# Altium PCB Enigma Rev A.PcbDoc (part 4 of 7) (continued)
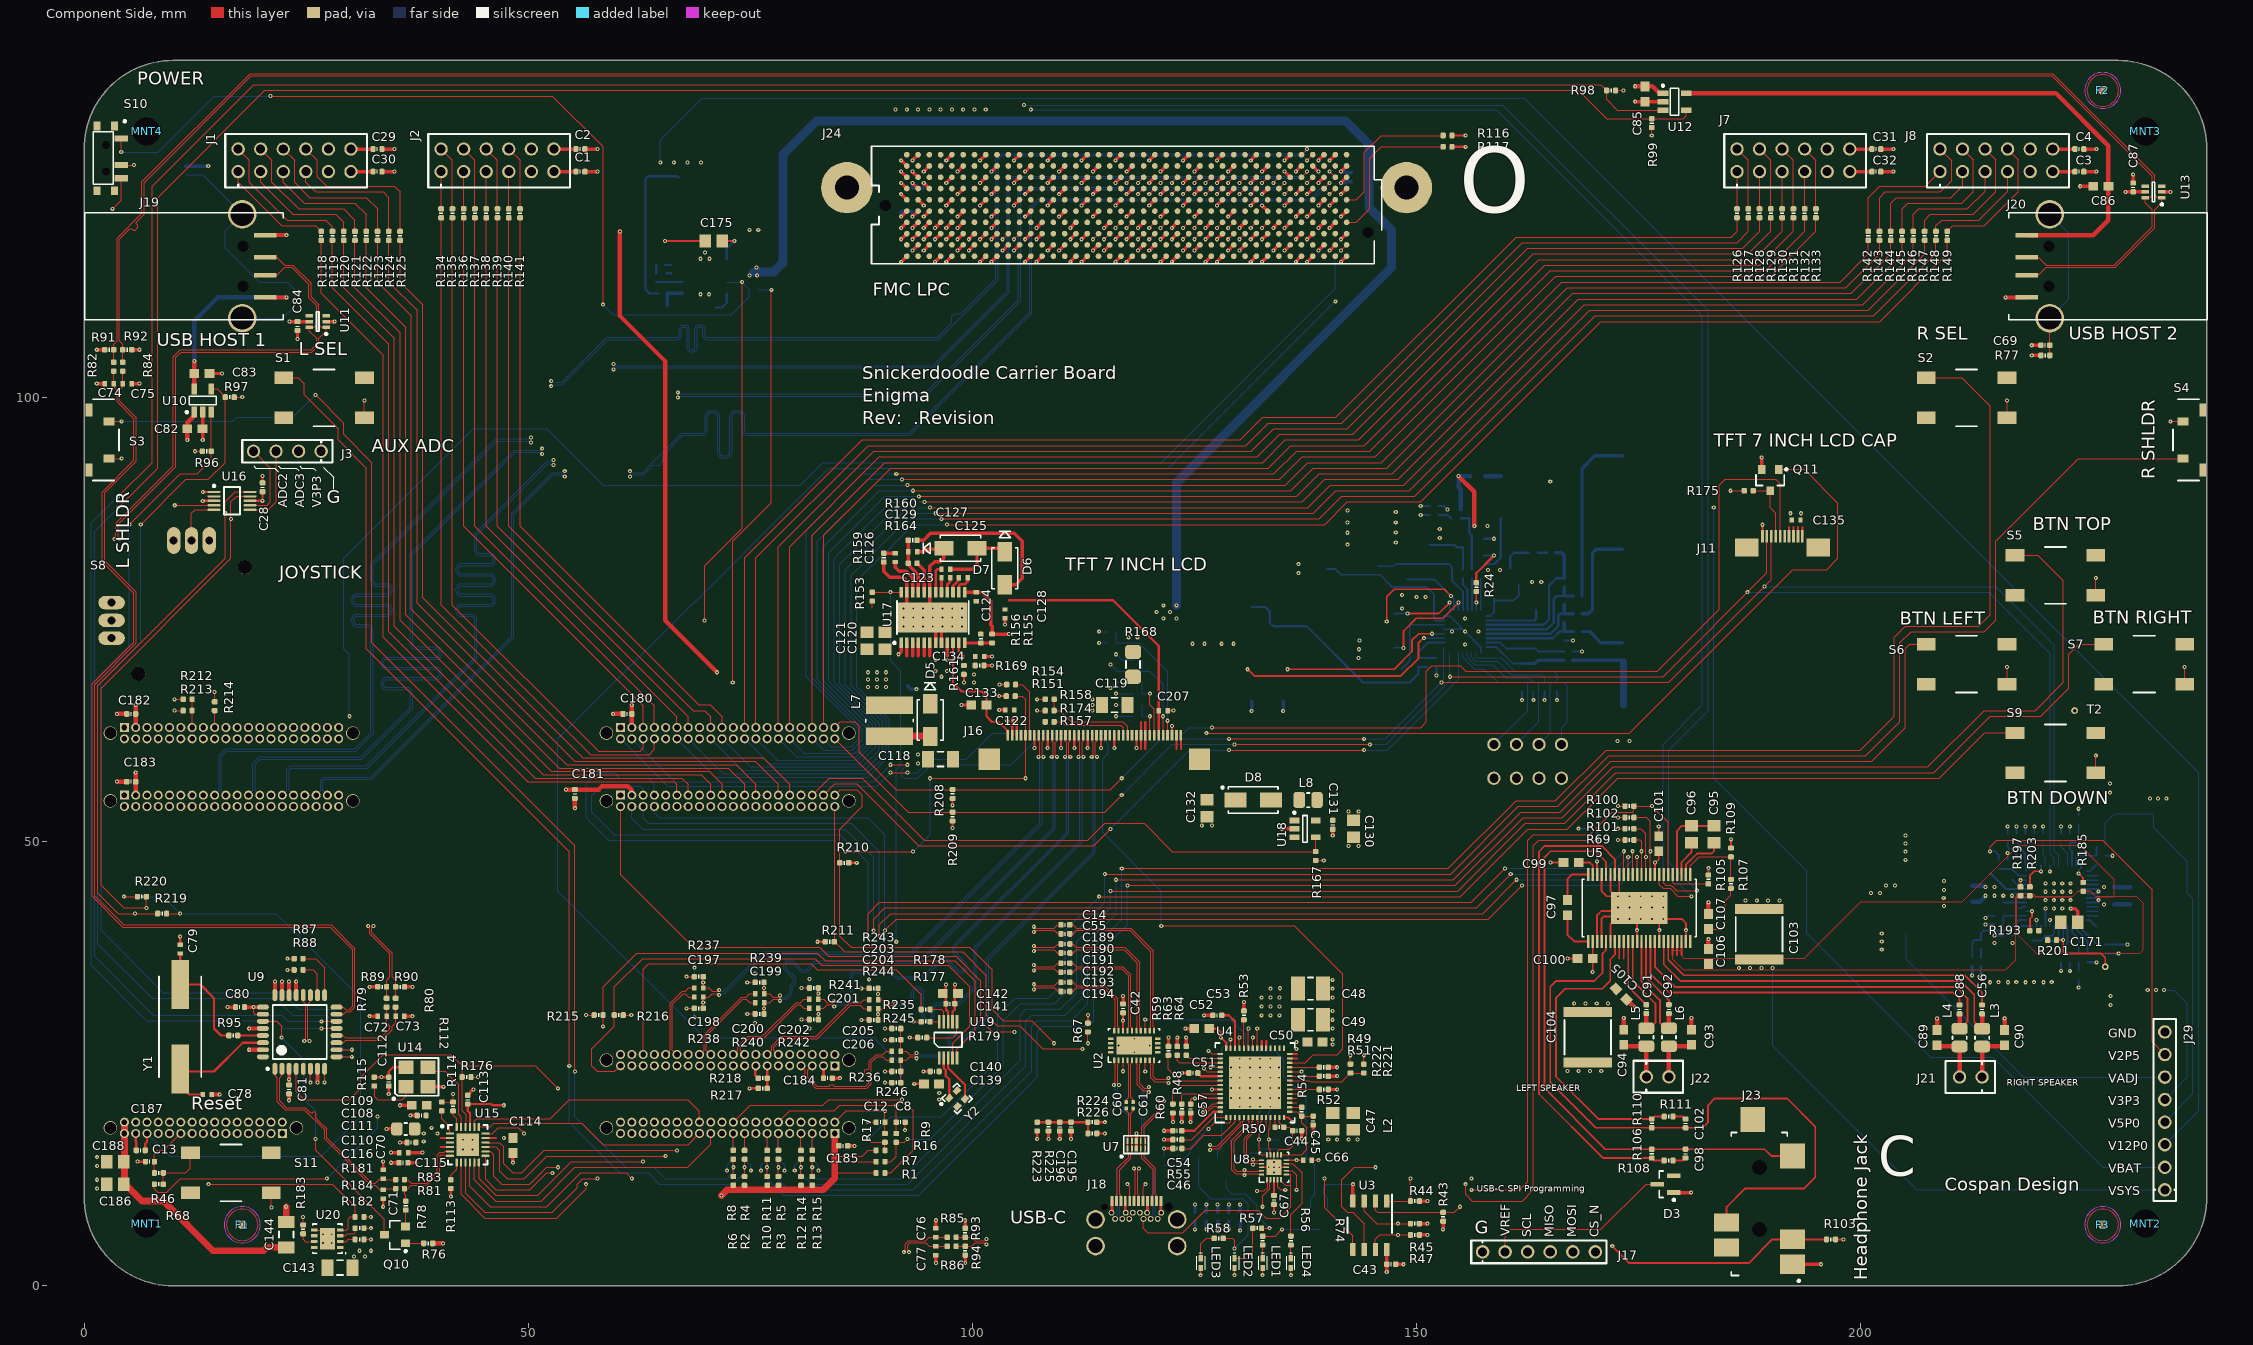
[diagram p0: Component Side view]
## Nets (pads, with @x,y where several pads share a name; then routed paths per layer and width w, separated by ;. In a path a pad name is that pad's centre, name@x,y a point inside that pad or via, vN(x,y) a via of type N, cw(c..) or ccw(c..) an arc to the next point about the centre after c; other vN are vias at no path point) (continued)
LA13_N: J6.26 J24.D18 | length 175.4
  Component Side w0.127: v1(119.936,119.126) J24.D18@120.571,119.761
  Inner Layer 1 w0.127: J6.26@19.751,61.595 19.243,61.087 19.243,60.198 19.558,59.883 19.648,59.793 19.917,59.793 20.103,59.979 20.373,59.979 20.552,59.8 20.552,59.53 20.366,59.344 20.366,59.075 20.894,58.547 31.75,58.547 34.163,60.96 34.163,75.438 34.879,76.154 ccw(c34.645,76.387) 34.976,76.387 ccw(c34.645,76.387) 34.879,76.621 34.181,77.319 cw(c34.594,77.732) 34.181,78.145 34.342,78.307 cw(c34.755,77.894) 35.168,78.307 37.211,76.264 ccw(c37.445,76.497) 37.678,76.264 37.84,76.425 ccw(c37.607,76.659) 37.937,76.659 ccw(c37.607,76.659) 37.84,76.892 35.797,78.935 cw(c36.21,79.349) 35.797,79.762 35.959,79.923 cw(c36.372,79.51) 36.785,79.923 38.828,77.88 ccw(c39.061,78.114) 39.295,77.88 39.456,78.042 ccw(c39.223,78.275) 39.553,78.275 ccw(c39.223,78.275) 39.456,78.509 37.414,80.552 cw(c37.827,80.965) 37.414,81.378 37.575,81.54 cw(c37.988,81.127) 38.401,81.54 40.444,79.497 ccw(c40.678,79.73) 40.911,79.497 41.073,79.658 ccw(c40.839,79.892) 41.17,79.892 ccw(c40.839,79.892) 41.073,80.125 39.03,82.168 cw(c39.443,82.581) 39.03,82.995 39.192,83.156 cw(c39.605,82.743) 40.018,83.156 40.721,82.452 ccw(c40.949,82.681) 41.177,82.452 41.275,82.55 41.275,95.736 44.726,99.187 59.817,99.187 64.897,104.267 114.427,104.267 120.444,110.284 120.444,118.618 v1(119.936,119.126)
LA13_P: J6.24 J24.D17 | length 175.4
  Component Side w0.127: v1(121.206,119.126) J24.D17@121.841,119.761
  Inner Layer 1 w0.127: J6.24@18.481,61.595 18.989,61.087 18.989,60.093 20.187,58.895 20.789,58.293 31.855,58.293 34.417,60.855 34.417,75.333 35.058,75.974 ccw(c34.645,76.387) 35.23,76.387 ccw(c34.645,76.387) 35.058,76.8 34.36,77.499 cw(c34.594,77.732) 34.36,77.966 34.522,78.127 cw(c34.755,77.894) 34.989,78.127 37.032,76.084 ccw(c37.445,76.497) 37.858,76.084 38.02,76.246 ccw(c37.607,76.659) 38.191,76.659 ccw(c37.607,76.659) 38.02,77.072 35.977,79.115 cw(c36.21,79.349) 35.977,79.582 36.138,79.744 cw(c36.372,79.51) 36.605,79.744 38.648,77.701 ccw(c39.061,78.114) 39.474,77.701 39.636,77.862 ccw(c39.223,78.275) 39.807,78.275 ccw(c39.223,78.275) 39.636,78.689 37.593,80.731 cw(c37.827,80.965) 37.593,81.198 37.755,81.36 cw(c37.988,81.127) 38.222,81.36 40.265,79.317 ccw(c40.678,79.73) 41.091,79.317 41.253,79.479 ccw(c40.839,79.892) 41.424,79.892 ccw(c40.839,79.892) 41.253,80.305 39.21,82.348 cw(c39.443,82.581) 39.21,82.815 39.371,82.977 cw(c39.605,82.743) 39.838,82.977 40.542,82.273 ccw(c40.949,82.681) 41.357,82.273 41.529,82.445 41.529,95.631 44.831,98.933 59.922,98.933 65.002,104.013 114.532,104.013 120.698,110.179 120.698,118.618 v1(121.206,119.126)
LA14_N: J6.20 J24.H17 | length 175.4
  Component Side w0.127: v1(121.206,124.206) J24.H17@121.841,124.841
  Inner Layer 1 w0.127: J6.20@15.941,61.595 15.433,61.087 15.433,59.497 15.875,59.055 15.965,58.965 16.234,58.965 16.42,59.151 16.69,59.151 16.869,58.972 16.869,58.702 16.683,58.516 16.683,58.247 17.653,57.277 32.385,57.277 35.433,60.325 35.433,72.009 44.196,80.772 44.196,88.379 cw(c44.78,88.379) 44.78,88.963 45.295,88.963 ccw(c45.295,89.294) 45.626,89.294 45.626,89.522 ccw(c45.295,89.522) 45.295,89.852 43.351,89.852 cw(c43.351,90.437) 42.766,90.437 42.766,90.665 cw(c43.351,90.665) 43.351,91.249 45.295,91.249 ccw(c45.295,91.58) 45.626,91.58 45.626,91.808 ccw(c45.295,91.808) 45.295,92.138 43.351,92.138 cw(c43.351,92.723) 42.766,92.723 42.766,92.951 cw(c43.351,92.951) 43.351,93.535 45.295,93.535 ccw(c45.295,93.866) 45.626,93.866 45.626,94.094 ccw(c45.295,94.094) 45.295,94.424 44.78,94.424 cw(c44.78,95.009) 44.196,95.009 44.196,95.99 46.123,97.917 60.452,97.917 65.532,102.997 115.062,102.997 121.714,109.649 121.714,123.698 v1(121.206,124.206)
LA14_P: J6.18 J24.H16 | length 175.4
  Component Side w0.127: v1(122.476,124.206) J24.H16@123.111,124.841
  Inner Layer 1 w0.127: J6.18@14.671,61.595 15.179,61.087 15.179,59.392 16.504,58.067 17.548,57.023 32.49,57.023 35.687,60.22 35.687,71.904 44.45,80.667 44.45,88.379 cw(c44.78,88.379) 44.78,88.709 45.295,88.709 ccw(c45.295,89.294) 45.88,89.294 45.88,89.522 ccw(c45.295,89.522) 45.295,90.106 43.351,90.106 cw(c43.351,90.437) 43.02,90.437 43.02,90.665 cw(c43.351,90.665) 43.351,90.995 45.295,90.995 ccw(c45.295,91.58) 45.88,91.58 45.88,91.808 ccw(c45.295,91.808) 45.295,92.392 43.351,92.392 cw(c43.351,92.723) 43.02,92.723 43.02,92.951 cw(c43.351,92.951) 43.351,93.281 45.295,93.281 ccw(c45.295,93.866) 45.88,93.866 45.88,94.094 ccw(c45.295,94.094) 45.295,94.678 44.78,94.678 cw(c44.78,95.009) 44.45,95.009 44.45,95.885 46.228,97.663 60.557,97.663 65.637,102.743 115.167,102.743 121.968,109.544 121.968,123.698 v1(122.476,124.206)
LA15_N: J6.5 J24.C23 | length 175.4
  Component Side w0.127: v1(113.586,117.856) J24.C23@114.221,118.491
  Inner Layer 1 w0.127: J6.5@7.051,62.865 7.559,63.373 7.559,73.45 48.536,114.427 49.263,114.427 ccw(c49.263,114.757) 49.593,114.757 49.593,116.663 cw(c50.178,116.663) 50.178,117.247 50.406,117.247 cw(c50.406,116.663) 50.99,116.663 50.99,111.937 ccw(c51.321,111.937) 51.321,111.607 51.549,111.607 ccw(c51.549,111.937) 51.879,111.937 51.879,116.663 cw(c52.464,116.663) 52.464,117.247 52.692,117.247 cw(c52.692,116.663) 53.276,116.663 53.276,111.937 ccw(c53.607,111.937) 53.607,111.607 53.835,111.607 ccw(c53.835,111.937) 54.165,111.937 54.165,116.663 cw(c54.75,116.663) 54.75,117.247 54.978,117.247 cw(c54.978,116.663) 55.562,116.663 55.562,111.937 ccw(c55.893,111.937) 55.893,111.607 56.121,111.607 ccw(c56.121,111.937) 56.451,111.937 56.451,113.843 cw(c57.036,113.843) 57.036,114.427 57.658,114.427 62.738,109.347 111.173,109.347 114.094,112.268 114.094,117.348 v1(113.586,117.856)
LA15_P: J6.7 J24.C22 | length 175.4
  Component Side w0.127: v1(114.856,117.856) J24.C22@115.491,118.491
  Inner Layer 1 w0.127: J6.7@8.321,62.865 7.813,63.373 7.813,73.345 48.641,114.173 49.263,114.173 ccw(c49.263,114.757) 49.847,114.757 49.847,116.663 cw(c50.178,116.663) 50.178,116.993 50.406,116.993 cw(c50.406,116.663) 50.736,116.663 50.736,111.937 ccw(c51.321,111.937) 51.321,111.353 51.549,111.353 ccw(c51.549,111.937) 52.133,111.937 52.133,116.663 cw(c52.464,116.663) 52.464,116.993 52.692,116.993 cw(c52.692,116.663) 53.022,116.663 53.022,111.937 ccw(c53.607,111.937) 53.607,111.353 53.835,111.353 ccw(c53.835,111.937) 54.419,111.937 54.419,116.663 cw(c54.75,116.663) 54.75,116.993 54.978,116.993 cw(c54.978,116.663) 55.308,116.663 55.308,111.937 ccw(c55.893,111.937) 55.893,111.353 56.121,111.353 ccw(c56.121,111.937) 56.705,111.937 56.705,113.843 cw(c57.036,113.843) 57.036,114.173 57.553,114.173 62.633,109.093 111.278,109.093 114.348,112.163 114.348,117.348 v1(114.856,117.856)
LA16_N: J6.23 J24.D21 | length 175.4
  Component Side w0.127: v1(116.126,119.126) J24.D21@116.761,119.761
  Inner Layer 1 w0.127: J6.23@18.481,62.865 18.989,63.373 18.989,64.577 18.161,65.405 13.865,65.405 13.335,65.935 13.335,67.424 ccw(c13.005,67.424) 13.005,67.754 10.825,67.754 cw(c10.825,68.339) 10.24,68.339 10.24,68.567 cw(c10.825,68.567) 10.825,69.151 16.099,69.151 ccw(c16.099,69.482) 16.43,69.482 16.43,69.71 ccw(c16.099,69.71) 16.099,70.04 10.825,70.04 cw(c10.825,70.625) 10.24,70.625 10.24,70.853 cw(c10.825,70.853) 10.825,71.438 16.099,71.438 ccw(c16.099,71.768) 16.43,71.768 16.43,71.996 ccw(c16.099,71.996) 16.099,72.326 10.825,72.326 cw(c10.825,72.911) 10.24,72.911 10.24,73.139 cw(c10.825,73.139) 10.825,73.724 13.005,73.724 ccw(c13.005,74.054) 13.335,74.054 13.335,76.2 15.345,78.21 18.989,78.21 20.193,79.414 20.193,83.82 44.45,108.077 111.808,108.077 116.634,112.903 116.634,113.411 116.634,118.618 v1(116.126,119.126)
LA16_P: J6.25 J24.D20 | length 175.4
  Component Side w0.127: v1(117.396,119.126) J24.D20@118.031,119.761
  Inner Layer 1 w0.127: J6.25@19.751,62.865 19.243,63.373 19.243,64.682 18.266,65.659 13.97,65.659 13.589,66.04 13.589,67.424 ccw(c13.005,67.424) 13.005,68.008 10.825,68.008 cw(c10.825,68.339) 10.494,68.339 10.494,68.567 cw(c10.825,68.567) 10.825,68.897 16.099,68.897 ccw(c16.099,69.482) 16.684,69.482 16.684,69.71 ccw(c16.099,69.71) 16.099,70.294 10.825,70.294 cw(c10.825,70.625) 10.494,70.625 10.494,70.853 cw(c10.825,70.853) 10.825,71.183 16.099,71.183 ccw(c16.099,71.768) 16.684,71.768 16.684,71.996 ccw(c16.099,71.996) 16.099,72.581 10.825,72.581 cw(c10.825,72.911) 10.494,72.911 10.494,73.139 cw(c10.825,73.139) 10.825,73.469 13.005,73.469 ccw(c13.005,74.054) 13.589,74.054 13.589,76.095 15.45,77.956 19.094,77.956 20.447,79.309 20.447,83.715 44.555,107.823 111.913,107.823 116.888,112.798 116.888,113.411 116.888,118.618 v1(117.396,119.126)
LA17_CC_N: J6.8 J24.D15 | length 175.1
  Component Side w0.127: v1(123.746,119.126) J24.D15@124.381,119.761
  Inner Layer 2 w0.127: J6.8@8.321,61.595 7.813,61.087 7.813,60.259 8.509,59.563 8.763,59.563 8.89,59.563 9.08,59.753 9.08,60.017 9.271,60.207 9.525,60.207 9.716,60.017 9.716,59.753 9.906,59.563 12.319,59.563 31.115,59.563 33.528,61.976 33.528,97.133 41.297,104.902 114.148,104.902 cw(c114.148,104.432) 114.617,104.432 114.617,102.793 ccw(c114.833,102.793) 114.833,102.577 115.291,102.577 ccw(c115.291,102.793) 115.506,102.793 115.506,104.432 cw(c115.976,104.432) 115.976,104.902 119.529,104.902 124.254,109.627 124.254,113.411 124.254,118.618 v1(123.746,119.126)
LA17_CC_P: J6.6 J24.D14 | length 175.1
  Component Side w0.127: v1(125.016,119.126) J24.D14@125.651,119.761
  Inner Layer 2 w0.127: J6.6@7.051,61.595 7.559,61.087 7.559,60.154 8.404,59.309 9.906,59.309 12.319,59.309 31.22,59.309 33.782,61.871 33.782,97.028 41.402,104.648 114.148,104.648 cw(c114.148,104.432) 114.363,104.432 114.363,102.793 ccw(c114.833,102.793) 114.833,102.323 115.291,102.323 ccw(c115.291,102.793) 115.76,102.793 115.76,104.432 cw(c115.976,104.432) 115.976,104.648 119.634,104.648 124.508,109.522 124.508,113.411 124.508,118.618 v1(125.016,119.126)
LA18_CC_N: J6.29 J24.H20 | length 175.4
  Component Side w0.127: v1(117.396,124.206) J24.H20@118.031,124.841
  Inner Layer 1 w0.127: J6.29@22.291,62.865 22.799,63.373 22.799,64.503 ccw(c22.469,64.503) 22.469,64.834 20.763,64.834 cw(c20.763,65.418) 20.179,65.418 20.179,65.646 cw(c20.763,65.646) 20.763,66.23 25.089,66.23 ccw(c25.089,66.561) 25.419,66.561 25.419,66.789 ccw(c25.089,66.789) 25.089,67.119 20.763,67.119 cw(c20.763,67.704) 20.179,67.704 20.179,67.932 cw(c20.763,67.932) 20.763,68.516 25.089,68.516 ccw(c25.089,68.847) 25.419,68.847 25.419,69.075 ccw(c25.089,69.075) 25.089,69.405 20.763,69.405 cw(c20.763,69.99) 20.179,69.99 20.179,70.218 cw(c20.763,70.218) 20.763,70.802 25.089,70.802 ccw(c25.089,71.133) 25.419,71.133 25.419,71.361 ccw(c25.089,71.361) 25.089,71.691 20.763,71.691 cw(c20.763,72.276) 20.179,72.276 20.179,72.504 cw(c20.763,72.504) 20.763,73.088 22.469,73.088 ccw(c22.469,73.419) 22.799,73.419 22.799,74.193 22.799,84.499 45.107,106.807 113.078,106.807 117.904,111.633 117.904,123.698 v1(117.396,124.206)
LA18_CC_P: J6.31 J24.H19 | length 175.4
  Component Side w0.127: v1(118.666,124.206) J24.H19@119.301,124.841
  Inner Layer 1 w0.127: J6.31@23.561,62.865 23.053,63.373 23.053,64.503 ccw(c22.469,64.503) 22.469,65.087 20.763,65.087 cw(c20.763,65.418) 20.433,65.418 20.433,65.646 cw(c20.763,65.646) 20.763,65.976 25.089,65.976 ccw(c25.089,66.561) 25.673,66.561 25.673,66.789 ccw(c25.089,66.789) 25.089,67.373 20.763,67.373 cw(c20.763,67.704) 20.433,67.704 20.433,67.932 cw(c20.763,67.932) 20.763,68.262 25.089,68.262 ccw(c25.089,68.847) 25.673,68.847 25.673,69.075 ccw(c25.089,69.075) 25.089,69.659 20.763,69.659 cw(c20.763,69.99) 20.433,69.99 20.433,70.218 cw(c20.763,70.218) 20.763,70.548 25.089,70.548 ccw(c25.089,71.133) 25.673,71.133 25.673,71.361 ccw(c25.089,71.361) 25.089,71.945 20.763,71.945 cw(c20.763,72.276) 20.433,72.276 20.433,72.504 cw(c20.763,72.504) 20.763,72.834 22.469,72.834 ccw(c22.469,73.419) 23.053,73.419 23.053,74.193 23.053,84.394 45.212,106.553 113.183,106.553 118.158,111.528 118.158,123.698 v1(118.666,124.206)
LA19_N: J24.H23
LA19_P: J24.H22
LA20_N: J24.G22
LA20_P: J24.G21
LA21_N: J24.H26
LA21_P: J24.H25
LA22_N: J24.G25
LA22_P: J24.G24
LA23_N: J24.D24
LA23_P: J24.D23
LA24_N: J24.H29
LA24_P: J24.H28
LA25_N: J24.G28
LA25_P: J24.G27
LA26_N: J24.D27
LA26_P: J24.D26
LA27_N: J24.C27
LA27_P: J24.C26
LA28_N: J24.H32
LA28_P: J24.H31
LA29_N: J24.G31
LA29_P: J24.G30
LA30_N: J24.H35
LA30_P: J24.H34
LA31_N: J24.G34
LA31_P: J24.G33
LA32_N: J24.H38
LA32_P: J24.H37
LA33_N: J24.G37
LA33_P: J24.G36
LCD_BL_DIM: J5.35 R167.2 U18.4 | length 64.1
  Component Side w0.127: J5.35@81.981,55.245 83.886,57.15 87.63,57.15 94.615,50.165 113.03,50.165 114.935,52.07 119.38,52.07 122.555,48.895 R167.2@138.685,48.895 U18.4@138.685,50.505
LCD_CLK_N: C198.2 J25.30 | length 9
  Component Side w0.127: J25.30@66.741,26.035 66.233,26.543 66.233,31.689 67.437,32.893 67.691,32.893 68.072,32.512 C198.2@68.707,32.512
LCD_CLK_P: C197.2 J25.32 | length 9.4
  Component Side w0.127: J25.32@65.471,26.035 65.979,26.543 65.979,31.794 67.332,33.147 67.691,33.147 68.072,33.528 C197.2@68.707,33.528
LCD_PWR_EN: J26.18 R153.2 U17.24 | length 75.6
  Component Side w0.127: R153.2@88.773,78.105 v1(90.805,78.105) U17.24@91.985,78.105
  Inner Layer 2 w0.127: J26.18@74.361,18.415 77.536,21.59 85.09,21.59 92.075,28.575 92.075,32.385 91.44,33.02 v1(91.44,38.735)
  Solder Side w0.127: v1(90.805,78.105) 90.805,70.358 91.948,69.215 91.948,58.674 91.44,58.166 v1(91.44,38.735)
LCD_TX0_N: C200.2 J25.24 | length 9.7
  Component Side w0.127: J25.24@70.551,26.035 70.043,26.543 70.043,28.155 74.146,32.258 74.533,32.258 74.914,31.877 C200.2@75.549,31.877
LCD_TX0_P: C199.2 J25.26 | length 10.1
  Component Side w0.127: J25.26@69.281,26.035 69.789,26.543 69.789,28.26 74.041,32.512 74.533,32.512 74.914,32.893 C199.2@75.549,32.893
LCD_TX1_N: C202.2 J25.18 | length 11
  Component Side w0.127: J25.18@74.361,26.035 73.853,26.543 73.853,26.863 74.803,27.813 76.454,27.813 80.264,31.623 80.645,31.623 81.026,31.242 C202.2@81.661,31.242
LCD_TX1_P: C201.2 J25.20 | length 11.4
  Component Side w0.127: J25.20@73.091,26.035 73.599,26.543 73.599,26.968 74.698,28.067 76.349,28.067 80.159,31.877 80.645,31.877 81.026,32.258 C201.2@81.661,32.258
LCD_TX2_N: C204.2 J25.12 | length 13.9
  Component Side w0.127: J25.12@78.171,26.035 77.663,26.543 77.663,26.863 78.613,27.813 82.55,27.813 86.322,31.585 87.376,31.585 87.757,31.204 C204.2@88.392,31.204
LCD_TX2_P: C203.2 J25.14 | length 14.3
  Component Side w0.127: J25.14@76.901,26.035 77.409,26.543 77.409,26.968 78.508,28.067 82.445,28.067 86.217,31.839 87.376,31.839 87.757,32.22 C203.2@88.392,32.22
LCD_TX3_N: C206.2 J25.7 | length 14.8
  Component Side w0.127: J25.7@80.711,24.765 81.219,24.257 81.219,23.39 82.384,22.225 88.116,22.225 88.646,22.755 88.646,25.146 89.281,25.781 89.916,25.781 90.297,25.4 C206.2@90.932,25.4
LCD_TX3_P: C205.2 J25.5 | length 15.2
  Component Side w0.127: J25.5@81.981,24.765 81.473,24.257 81.473,23.495 82.489,22.479 83.87,22.479 83.997,22.606 84.328,22.606 84.455,22.479 88.011,22.479 88.392,22.86 88.392,23.622 88.265,23.749 88.011,23.749 87.884,23.876 87.884,24.257 88.011,24.384 88.265,24.384 88.392,24.511 88.392,25.251 89.176,26.035 89.916,26.035 90.297,26.416 C205.2@90.932,26.416
LCD_X_CLK_N: C203.1 J16.17 R233.2 R243.1 | length 53.2
  Component Side w0.127: R243.1@89.392,33.49 v1(89.392,32.855) C203.1@89.392,32.22 90.027,32.22 90.408,31.839 91.021,31.839 v1(91.186,32.004) ; v1(111.958,59.563) 111.996,59.563 112.123,59.69 112.123,61.204 112,61.327 J16.17@112,61.99
  Solder Side w0.127: v1(89.392,32.855) R233.2@89.392,33.49 ; v1(91.186,32.004) 91.351,31.839 92.71,31.839 ccw(c92.71,32.283) 93.154,32.283 93.154,32.992 cw(c93.853,32.992) 94.551,32.992 94.551,30.432 ccw(c94.996,30.432) 95.44,30.432 95.44,31.14 cw(c96.139,31.14) 96.139,31.839 98.387,31.839 100.203,33.655 100.203,38.1 112.123,50.02 112.123,59.398 v1(111.958,59.563)
LCD_X_CLK_P: C204.1 J16.18 R234.2 R244.1 | length 53.6
  Component Side w0.127: R244.1@89.392,29.934 v1(89.392,30.569) C204.1@89.392,31.204 90.027,31.204 90.408,31.585 91.021,31.585 v1(91.186,31.42) ; J16.18@112.5,61.99 112.5,61.327 112.377,61.204 112.377,59.69 112.504,59.563 v1(112.542,59.563)
  Solder Side w0.127: R234.2@89.392,29.934 v1(89.392,30.569) ; v1(91.186,31.42) 91.351,31.585 92.71,31.585 ccw(c92.71,32.283) 93.408,32.283 93.408,32.992 cw(c93.853,32.992) 94.297,32.992 94.297,30.432 ccw(c94.996,30.432) 95.694,30.432 95.694,31.14 cw(c96.139,31.14) 96.139,31.585 98.492,31.585 100.383,33.475 100.457,33.55 100.457,37.995 112.377,49.915 112.377,59.398 v1(112.542,59.563)
LCD_X_TX0_N: C197.1 J16.8 R227.2 R237.1 | length 58.1
  Component Side w0.127: R237.1@69.707,34.798 v1(69.707,34.163) C197.1@69.707,33.528 70.342,33.528 70.723,33.147 71.336,33.147 v1(71.501,33.312) ; v1(107.458,59.563) 107.496,59.563 107.623,59.69 107.623,61.204 107.5,61.327 J16.8@107.5,61.99
  Solder Side w0.127: v1(69.707,34.163) R227.2@69.707,34.798 ; v1(71.501,33.312) 71.666,33.147 72.009,33.147 76.454,37.592 93.113,37.592 107.623,52.102 107.623,59.398 v1(107.458,59.563)
LCD_X_TX0_P: C198.1 J16.9 R228.2 R238.1 | length 58.5
  Component Side w0.127: R238.1@69.707,31.242 v1(69.707,31.877) C198.1@69.707,32.512 70.342,32.512 70.723,32.893 71.336,32.893 v1(71.501,32.728) ; J16.9@108,61.99 108,61.327 107.877,61.204 107.877,59.69 108.004,59.563 v1(108.042,59.563)
  Solder Side w0.127: R228.2@69.707,31.242 v1(69.707,31.877) ; v1(71.501,32.728) 71.666,32.893 72.114,32.893 76.559,37.338 93.218,37.338 107.877,51.997 107.877,59.398 v1(108.042,59.563)
LCD_X_TX1_N: C199.1 J16.11 R229.2 R239.1 | length 57.4
  Component Side w0.127: R239.1@76.549,34.163 v1(76.549,33.528) 76.549,32.893 C199.1@76.565,32.893 77.184,32.893 77.565,32.512 78.178,32.512 v1(78.343,32.677) ; v1(108.958,59.563) 108.996,59.563 109.123,59.69 109.123,61.204 109,61.327 J16.11@109,61.99
  Solder Side w0.127: v1(76.549,33.528) R229.2@76.549,34.163 ; v1(78.343,32.677) 78.508,32.512 78.994,32.512 79.502,33.02 79.502,33.782 79.756,34.036 ccw(c79.442,34.35) 79.886,34.35 ccw(c79.442,34.35) 79.756,34.665 78.937,35.484 cw(c79.431,35.978) 79.924,36.472 80.744,35.652 ccw(c81.058,35.967) 81.372,35.652 82.296,36.576 94.129,36.576 109.123,51.57 109.123,59.398 v1(108.958,59.563)
LCD_X_TX1_P: C200.1 J16.12 R230.2 R240.1 | length 57.8
  Component Side w0.127: R240.1@76.549,30.607 v1(76.549,31.242) 76.549,31.877 C200.1@76.565,31.877 77.184,31.877 77.565,32.258 78.178,32.258 v1(78.343,32.093) ; J16.12@109.5,61.99 109.5,61.327 109.377,61.204 109.377,59.69 109.504,59.563 v1(109.542,59.563)
  Solder Side w0.127: R230.2@76.549,30.607 v1(76.549,31.242) ; v1(78.343,32.093) 78.508,32.258 79.099,32.258 79.756,32.915 79.756,33.677 79.936,33.856 ccw(c79.442,34.35) 80.14,34.35 ccw(c79.442,34.35) 79.936,34.844 79.116,35.664 cw(c79.431,35.978) 79.116,36.292 ; 79.116,36.292 cw(c79.431,35.978) 79.745,36.292 80.564,35.473 ccw(c81.058,35.967) 81.552,35.473 82.401,36.322 94.234,36.322 109.377,51.465 109.377,59.398 v1(109.542,59.563)
LCD_X_TX2_N: C201.1 J16.14 R231.2 R241.1 | length 56.1
  Component Side w0.127: R241.1@82.661,33.528 v1(82.661,32.893) C201.1@82.661,32.258 83.296,32.258 83.677,31.877 84.29,31.877 v1(84.455,32.042) ; v1(110.458,59.563) 110.496,59.563 110.623,59.69 110.623,61.203 110.5,61.327 J16.14@110.5,61.99
  Solder Side w0.127: v1(82.661,32.893) R231.2@82.661,33.528 ; v1(84.455,32.042) 84.62,31.877 85.979,31.877 86.233,32.131 86.233,35.03 86.71,35.507 90.858,35.507 90.932,35.433 91.567,34.798 94.383,34.798 96.311,36.727 cw(c96.805,36.233) 97.299,36.727 98.442,35.584 ccw(c98.757,35.898) 99.07,35.583 ; 99.071,35.584 ccw(c98.757,35.898) 99.201,35.898 ccw(c98.757,35.898) 99.071,36.212 97.928,37.355 cw(c98.422,37.849) 97.928,38.343 110.623,51.038 110.623,59.398 v1(110.458,59.563)
LCD_X_TX2_P: C202.1 J16.15 R232.2 R242.1 | length 56.5
  Component Side w0.127: R242.1@82.661,29.972 v1(82.661,30.607) C202.1@82.661,31.242 83.296,31.242 83.677,31.623 84.29,31.623 v1(84.455,31.458) ; J16.15@111,61.99 111,61.327 110.877,61.204 110.877,59.69 111.004,59.563 v1(111.042,59.563)
  Solder Side w0.127: R232.2@82.661,29.972 v1(82.661,30.607) ; v1(84.455,31.458) 84.62,31.623 86.084,31.623 86.487,32.026 86.487,34.925 86.815,35.253 90.752,35.253 91.462,34.544 94.488,34.544 96.491,36.547 cw(c96.805,36.233) 97.12,36.547 98.263,35.404 ccw(c98.757,35.898) 99.25,35.404 ccw(c98.757,35.898) 99.455,35.898 ccw(c98.757,35.898) 99.25,36.392 98.107,37.535 cw(c98.422,37.849) 98.107,38.164 110.877,50.933 110.877,59.398 v1(111.042,59.563)
LCD_X_TX3_N: C205.1 J16.20 R235.2 R245.1 | length 53
  Component Side w0.127: R235.2@91.932,28.94 C205.1@91.932,26.416 92.567,26.416 92.948,26.035 93.561,26.035 v1(93.726,26.2) ; v1(113.458,59.563) 113.496,59.563 113.623,59.69 113.623,61.204 113.5,61.327 J16.20@113.5,61.99
  Inner Layer 1 w0.127: v1(113.458,59.563) v1@113.623,59.563
  Solder Side w0.127: v1(93.726,26.2) 93.891,26.035 97.155,26.035 97.536,26.416 ccw(c97.222,26.73) 97.666,26.73 ccw(c97.222,26.73) 97.536,27.045 97.347,27.233 cw(c97.841,27.727) 98.335,28.221 98.524,28.032 ccw(c98.838,28.347) 99.152,28.032 101.6,30.48 101.6,36.83 113.623,48.853 113.623,59.398 v1(113.458,59.563)
LCD_X_TX3_P: C206.1 J16.21 R236.2 R246.1 | length 53.3
  Component Side w0.127: R246.1@91.932,22.876 C206.1@91.932,25.4 92.567,25.4 92.948,25.781 93.561,25.781 v1(93.726,25.616) ; J16.21@114,61.99 114,61.327 113.877,61.204 113.877,59.69 114.004,59.563 v1(114.042,59.563)
  Solder Side w0.127: v1(93.726,25.616) 93.891,25.781 97.26,25.781 97.716,26.236 ccw(c97.222,26.73) 97.92,26.73 ccw(c97.222,26.73) 97.716,27.224 97.527,27.413 cw(c97.841,27.727) 97.526,28.041 cw(c97.841,27.727) 98.156,28.041 98.344,27.853 ccw(c98.838,28.347) 99.332,27.853 101.854,30.375 101.854,36.725 113.877,48.748 113.877,59.398 v1(114.042,59.563)
LODRV: Q6.4 U1.25 | length 7.6
  Component Side w0.203: v1(149.021,75.704) 152.546,75.704 v1(153.771,76.929)
  Solder Side w0.203: Q6.4@147.546,75.704 v1(149.021,75.704) ; U1.25@153.771,76.079 v1(153.771,76.929)
LRCLK: J5.5 U5.16 | length 143.8
  Component Side w0.127: v1(88.265,39.37) 88.265,41.91 89.535,43.18 156.21,43.18 v1(160.02,46.99) ; U5.16@173.383,46.32 v1(173.383,48.93)
  Solder Side w0.127: J5.5@62.931,55.245 62.931,55.941 62.611,56.261 58.166,56.261 57.15,55.245 57.15,53.34 59.69,50.8 85.09,50.8 88.265,47.625 v1(88.265,39.37) ; v1(160.02,46.99) 171.443,46.99 v1(173.383,48.93)
MCLK: J5.8 U5.13 | length 129.3
  Component Side w0.127: v1(90.17,40.005) 91.44,41.275 158.115,41.275 v1(161.925,45.085) ; U5.13@174.883,46.32 v1(174.883,48.295)
  Solder Side w0.127: J5.8@64.201,53.975 64.201,53.274 64.77,52.705 88.265,52.705 90.17,50.8 v1(90.17,40.005) ; v1(161.925,45.085) 172.847,45.085 174.883,47.121 v1(174.883,48.295)
MCU_RST_N: J27.17
NetC15_1: C15.1 C16.2 | length 1.8
  Solder Side w0.508: C16.2@157.771,91.179 C15.1@159.521,91.179
NetC15_2: C15.2 J12.1 Q1.1 Q1.2 Q1.3 R18.1 R20.1 R21.1 | length 1
  Solder Side w0.254: R20.1@163.695,82.55 R21.1@164.727,82.55
NetC18_2: C18.2 U1.2 | length 6.6
  Solder Side w0.254: U1.2@157.921,74.929 163.321,74.929 163.533,75.141 C18.2@163.533,76.064
NetC19_2: C19.2 D1.3 U1.1 | length 6.9
  Solder Side w0.203: U1.1@157.921,75.429 158.371,75.429 158.771,75.829 C19.2@158.771,77.433 ; C19.2@158.771,77.179 160.999,77.179 161.544,77.724 D1.3@161.544,78.958
NetC22_2: C22.2 R32.1 U1.22 | length 9.2
  Solder Side w0.203: R32.1@148.321,69.429 149.271,70.379 149.271,74.279 149.421,74.429 U1.22@153.121,74.429
NetC23_2: C23.2 R28.2 | length 1.6
  Solder Side w0.254: C23.2@152.521,86.81 153.54,86.81 R28.2@153.921,86.429
NetC25_2: C25.2 D2.3 U1.28 | length 14
  Solder Side w0.203: D2.3@145.705,81.026 147.448,81.026 147.701,81.279 153.721,81.279 154.021,80.979 154.021,79.429 155.271,78.179 U1.28@155.271,76.079
NetC26_2: C26.2 C27.2 Q4.5 Q4.6 Q4.7 Q4.8 Q4.TAB Q5.5 Q5.6 Q5.7 Q5.8 Q5.TAB R32.2
  other v1: 143.521,70.679 143.571,71.679 143.621,72.679 147.701,83.693 147.701,84.836 147.701,85.979 147.701,87.122
NetC33_1: C33.1 C34.1 R35.1 U1.7 | length 9.1
  Solder Side w0.203: U1.7@157.921,72.429 159.471,72.429 160.121,71.779 C33.1@162.021,71.779 163.421,71.779 163.771,71.429 C34.1@165.406,71.429 R35.1@166.656,71.429
NetC33_2: C33.2 C34.2 R33.1 U1.8 | length 9.6
  Solder Side w0.203: U1.8@157.921,71.929 159.021,71.929 160.871,70.079 C33.2@162.021,70.079
  Solder Side w0.381: C33.2@162.021,70.079 163.421,70.079 163.771,70.429 C34.2@165.406,70.429 R33.1@166.656,70.429
NetC35_2: C35.2 D2.1 U1.23 | length 17.2
  Solder Side w0.203: C35.2@139.925,80.71 140.905,80.71 141.539,80.076 D2.1@143.855,80.076 145.923,80.076 147.32,78.679 151.191,78.679 152.021,77.849 152.021,75.129 152.221,74.929 U1.23@153.121,74.929
NetC46_2: C46.2 U4.3 | length 7.7
  Component Side w0.127: C46.2@123.6,15.45 124.6,15.45 126.1,16.95 128.1,16.95 129.6,18.45 U4.3@129.6,18.95
NetC47_2: C47.2 L2.2 U4.17 U4.18 | length 1.6
  Component Side w0.127: U4.17@135.75,20.6 136.55,20.6 ; U4.18@135.75,21.1 136.55,21.1
NetC51_2: C51.2 U4.48 | length 2.7
  Component Side w0.254: C51.2@125.4,23.95 125.75,23.6 U4.48@127.95,23.6
NetC53_2: C53.2 U4.40 | length 4.8
  Component Side w0.254: C53.2@128.1,30.45 128.9,30.45 129.6,29.75 U4.40@129.6,26.75
NetC54_2: C54.2 U4.56 | length 5.2
  Component Side w0.254: C54.2@123.6,17.45 125,17.45 127.15,19.6 U4.56@127.95,19.6
NetC56_1: C56.1 L3.1 U5.42 | length 44.8
  Component Side w0.203: U5.42@177.883,38.77 177.883,36.175 179.733,34.325 211.293,34.325 212.848,32.77 212.848,29.718 L3.1@213.626,28.94
  Component Side w0.508: L3.1@213.739,28.942 C56.1@213.739,30.615
NetC56_2: C56.2 U5.43 | length 40.4
  Component Side w0.203: U5.43@178.383,38.77 178.383,36.691 180.114,34.96 211.801,34.96 213.739,33.022 C56.2@213.739,31.615
NetC67_2: C67.2 U8.3 | length 1.8
  Component Side w0.203: C67.2@133.985,10.16 U8.3@133.985,11.935
NetC68_2: C68.2 J19.S1 J19.S2 R75.1 | length 30.9
  Solder Side w0.127: R75.1@11.43,125.095 C68.2@12.7,125.095 13.351,125.095 J19.S1@17.78,120.666 15.875,118.761 15.875,116.84 19.685,113.03 22.86,113.03 23.749,112.141 23.749,110.363 22.352,108.966 J19.S2@17.78,108.966
NetC69_2: C69.2 J20.S1 J20.S2 R77.1 | length 17.7
  Component Side w0.127: R77.1@221.361,104.775 C69.2@221.361,105.918 J20.S1@221.361,108.966
  Solder Side w0.127: J20.S1@221.361,108.966 223.52,111.125 223.52,118.507 J20.S2@221.361,120.666
NetC78_2: C78.2 U9.30 Y1.2 | length 15.5
  Component Side w0.254: Y1.2@10.795,24.409 Y1.2@10.795,24.13 ; C78.2@13.335,21.539 11.811,21.539 10.795,22.555 Y1.2@10.795,24.13 ; U9.30@20.107,27.375 17.85,27.375 14.605,24.13 Y1.2@10.795,24.13
NetC79_2: C79.2 R95.1 Y1.1 | length 13.4
  Component Side w0.254: C79.2@10.795,37.414 Y1.1@10.795,33.909 13.081,33.909 14.605,32.385 14.605,28.956 15.386,28.175 R95.1@16.272,28.175
NetC88_1: C88.1 L4.1 U5.40 | length 45
  Component Side w0.203: U5.40@176.883,38.77 176.883,35.905 179.133,33.655 210.82,33.655 212.09,32.385 212.09,29.718 L4.1@211.312,28.94
  Component Side w0.508: L4.1@211.199,28.942 C88.1@211.199,30.615
NetC88_2: C88.2 U5.39 | length 40.3
  Component Side w0.203: U5.39@176.383,38.77 176.383,35.135 178.498,33.02 210.439,33.02 211.199,32.26 C88.2@211.199,31.615
NetC89_2: C89.2 J21.2 L4.2 | length 6
  Component Side w0.508: C89.2@208.661,27.09 208.811,26.94 L4.2@211.201,26.94 J21.2@211.201,23.495
NetC90_2: C90.2 J21.1 L3.2 | length 5.8
  Component Side w0.508: J21.1@213.741,23.495 L3.2@213.741,26.94 C90.2@216.131,26.94
NetC91_1: C91.1 L5.1 U5.35 | length 13.2
  Component Side w0.203: U5.35@174.383,38.77 174.383,34.341 176.939,31.785 176.939,29.626 176.288,28.975 L5.1@175.923,28.975
  Component Side w0.508: L5.1@175.921,28.977 C91.1@175.921,30.65
NetC91_2: C91.2 U5.34 | length 8
  Component Side w0.203: U5.34@173.883,38.77 173.883,33.688 C91.2@175.921,31.65